# Allegro board 6089-103-RevB_76.brd (continued)
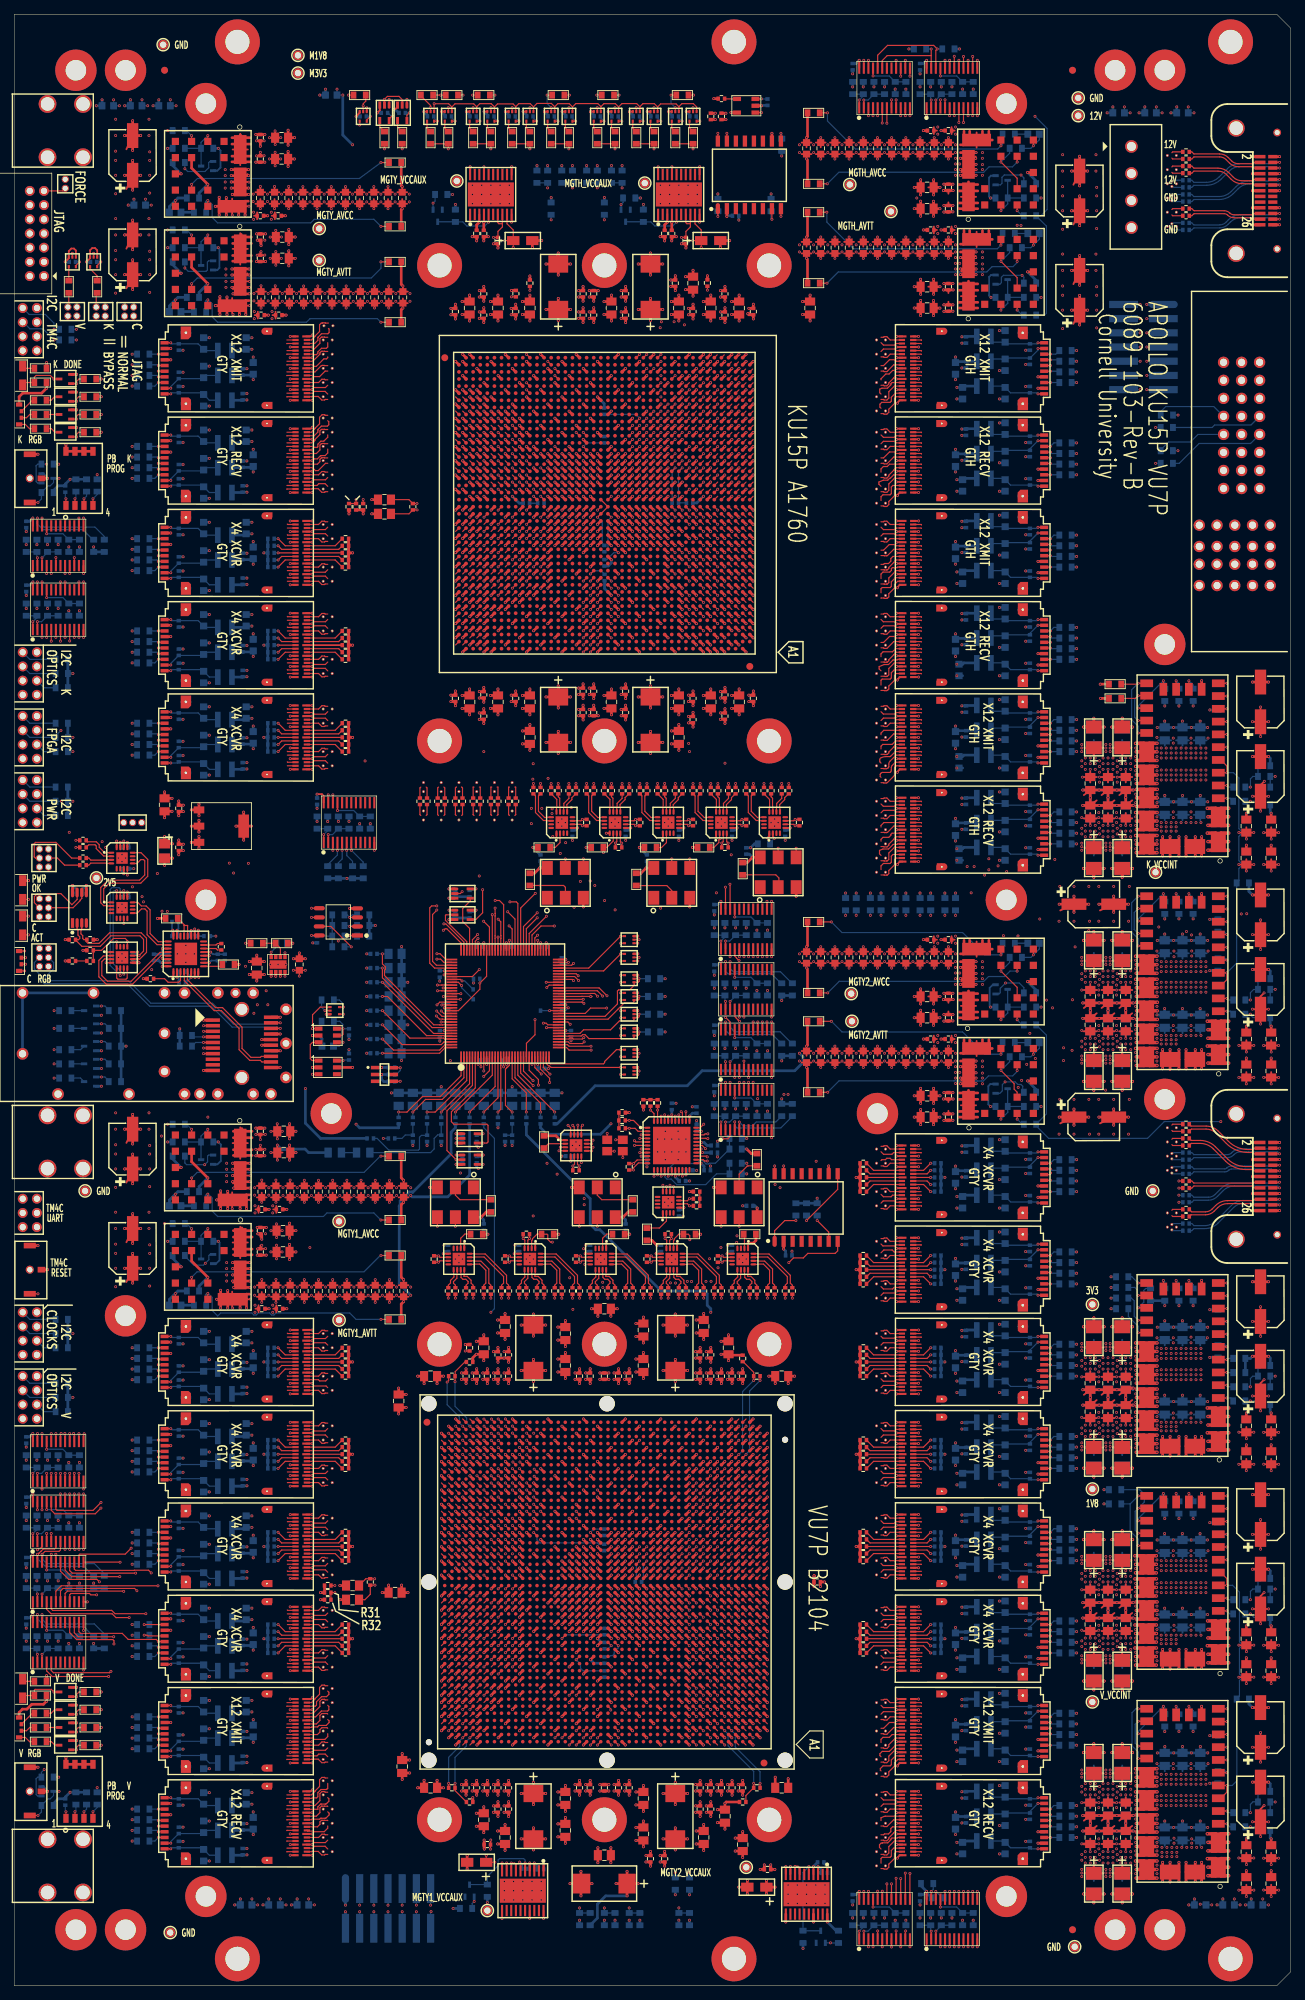
[diagram p0: board, top side]
## Routing (per net, layer and track width the routed paths; a pad name or vN(x,y) marks a point on that pad's centre or on a via; arc(x,y) is an arc through that point) (continued)
NV_FF6_XMIT2: length 27.4
  TOP w0.165: U115.A5 124.32,46.4 124.11,46.18 122.54,46.18 122.2,46.52 ; U66.T6 101.17,48.94
  SIG4 w0.083: 101.17,48.94 100.86,48.94 100.77,49.02 arc(100.77,49.02) 100.77,49.02 arc(100.77,49.04) 100.77,49.06 100.77,49.19 arc(100.78,49.23) 100.79,49.27 arc(100.85,49.35) 100.94,49.38 112.66,49.38 arc(112.7,49.36) 112.71,49.33 arc(112.73,49.29) 112.76,49.28 112.99,49.28 arc(113.03,49.29) 113.04,49.33 arc(113.06,49.36) 113.09,49.38 113.32,49.38 arc(113.36,49.36) 113.37,49.33 arc(113.39,49.29) 113.42,49.28 113.65,49.28 arc(113.69,49.29) 113.7,49.33 arc(113.72,49.36) 113.75,49.38 113.98,49.38 arc(114.02,49.36) 114.03,49.33 arc(114.05,49.29) 114.08,49.28 114.31,49.28 arc(114.35,49.29) 114.36,49.33 arc(114.38,49.36) 114.41,49.38 117.17,49.38 arc(117.25,49.36) 117.31,49.32 119.56,47.07 arc(119.92,46.83) 120.33,46.75 120.76,46.75 arc(120.94,46.72) 121.08,46.62 121.11,46.59 arc(121.19,46.54) 121.28,46.52 122.2,46.52
NV_FF6_XMIT3: length 33.4
  TOP w0.165: U66.U8 99.16,49.93 ; U115.B5 127.95,46.4
  SIG2 w0.083: 99.16,49.93 98.85,49.93 98.77,50.02 98.77,50.15 arc(98.78,50.19) 98.8,50.23 98.83,50.25 arc(98.85,50.27) 98.89,50.28 114.12,50.28 arc(114.16,50.26) 114.18,50.21 arc(114.2,50.17) 114.25,50.15 114.45,50.15 arc(114.49,50.17) 114.51,50.21 arc(114.53,50.26) 114.58,50.28 114.78,50.28 arc(114.82,50.26) 114.84,50.21 arc(114.86,50.17) 114.91,50.15 115.11,50.15 arc(115.15,50.17) 115.17,50.21 arc(115.19,50.26) 115.23,50.28 120.42,50.28 arc(120.72,50.22) 120.98,50.05 121.13,49.9 121.13,49.9 arc(121.42,49.71) 121.76,49.64 123.19,49.64 arc(123.56,49.56) 123.88,49.35 126.35,46.89 arc(126.68,46.66) 127.07,46.59 127.76,46.59 127.95,46.4
NV_FF7_RECV0: length 31
  TOP w0.165: U66.AU46 60.23,70.85 ; U25.B18 38.51,83.9
  SIG1 w0.083: 60.23,70.85 60.55,70.85 60.61,70.91 arc(60.63,70.94) 60.63,70.97 60.63,71.09 arc(60.63,71.12) 60.61,71.14 60.48,71.28 arc(60.45,71.29) 60.42,71.3 59.52,71.3 arc(59.41,71.32) 59.31,71.39 59.08,71.62 arc(59.01,71.72) 58.99,71.83 58.99,71.9 arc(58.98,71.93) 58.97,71.96 49.99,80.94 arc(49.94,80.96) 49.89,80.94 arc(49.84,80.92) 49.78,80.94 49.65,81.07 arc(49.63,81.12) 49.65,81.17 arc(49.67,81.22) 49.65,81.27 49.52,81.4 arc(49.47,81.43) 49.42,81.4 arc(49.37,81.38) 49.32,81.4 49.19,81.54 arc(49.16,81.59) 49.19,81.64 arc(49.21,81.69) 49.19,81.74 46.24,84.68 arc(46.07,84.8) 45.86,84.84 43.78,84.84 arc(43.65,84.81) 43.53,84.74 43.09,84.3 arc(42.84,84.13) 42.55,84.07 38.79,84.07 arc(38.69,84.05) 38.6,83.99 38.51,83.9
NV_FF7_RECV1: length 28.9
  TOP w0.165: 44.2,83.52 43.84,83.52 43.76,83.44 43.37,83.44 42.91,83.9 U25.A18 ; U66.AT44 62.24,69.86
  SIG1 w0.083: 62.24,69.86 62.5,69.86 arc(62.54,69.87) 62.57,69.91 arc(62.6,69.96) 62.61,70.01 arc(62.62,70.06) 62.59,70.09 62.51,70.18 arc(62.45,70.22) 62.37,70.23 59.45,70.23 arc(59.39,70.25) 59.33,70.28 56.43,73.19 arc(56.38,73.2) 56.34,73.19 arc(56.29,73.17) 56.25,73.19 56.1,73.33 arc(56.09,73.37) 56.1,73.42 arc(56.12,73.47) 56.1,73.51 55.96,73.65 arc(55.92,73.67) 55.87,73.65 arc(55.83,73.63) 55.78,73.65 55.64,73.79 arc(55.62,73.84) 55.64,73.89 arc(55.66,73.93) 55.64,73.98 45.88,83.73 arc(45.82,83.78) 45.74,83.79 45.43,83.79 arc(45.33,83.77) 45.25,83.72 45.05,83.51 arc(45.01,83.49) 44.96,83.48 44.24,83.48 44.2,83.52
NV_FF7_RECV2: length 31.6
  TOP w0.165: U25.B15 38.51,85.4 ; U66.AR46 60.23,68.87
  SIG3 w0.083: 60.23,68.87 60.55,68.87 60.63,68.95 60.63,69.13 arc(60.59,69.25) 60.47,69.3 59.81,69.3 arc(59.07,69.44) 58.44,69.86 49.87,78.43 arc(49.81,78.46) 49.75,78.43 arc(49.7,78.41) 49.64,78.43 49.52,78.55 arc(49.5,78.61) 49.52,78.67 arc(49.55,78.72) 49.52,78.78 49.4,78.9 arc(49.35,78.92) 49.29,78.9 arc(49.23,78.88) 49.17,78.9 49.05,79.02 arc(49.03,79.07) 49.05,79.13 arc(49.08,79.19) 49.05,79.25 45.95,82.35 arc(45.58,82.6) 45.14,82.69 42.3,82.69 arc(41.93,82.76) 41.61,82.97 39.18,85.41 arc(39,85.53) 38.8,85.57 38.68,85.57 38.51,85.4
NV_FF7_RECV3: length 34.9
  TOP w0.165: U66.AP44 62.24,67.86 ; U25.A15 42.89,85.4 43.07,85.22 43.91,85.22 44.2,85.52
  SIG1 w0.083: 62.24,67.86 62.41,67.86 arc(62.55,67.9) 62.63,68.03 62.63,68.25 arc(62.64,68.31) 62.68,68.37 62.79,68.48 arc(62.84,68.51) 62.89,68.52 63.27,68.52 arc(63.36,68.54) 63.45,68.6 63.61,68.76 arc(63.67,68.85) 63.69,68.95 63.69,71.74 arc(63.66,71.89) 63.58,72.01 63.46,72.12 arc(63.33,72.21) 63.18,72.24 60.09,72.24 arc(59.81,72.3) 59.57,72.46 59,73.03 arc(58.88,73.21) 58.84,73.42 58.84,73.72 arc(58.82,73.85) 58.74,73.96 53.59,79.11 arc(53.53,79.13) 53.47,79.11 arc(53.41,79.08) 53.35,79.11 53.24,79.22 arc(53.21,79.28) 53.24,79.34 arc(53.26,79.4) 53.24,79.46 53.13,79.58 arc(53.07,79.6) 53.01,79.58 arc(52.94,79.55) 52.88,79.58 52.77,79.69 arc(52.75,79.75) 52.77,79.81 arc(52.8,79.87) 52.77,79.93 47.08,85.63 arc(46.84,85.78) 46.56,85.84 45.53,85.84 arc(45.41,85.82) 45.31,85.75 45.16,85.6 arc(45.02,85.51) 44.87,85.48 44.48,85.48 44.44,85.52 44.2,85.52
NV_FF7_XMIT0: length 39.4
  TOP w0.165: 44.2,92.28 43.84,92.28 43.76,92.36 43.37,92.36 42.91,91.9 U25.A2 ; U66.AU41 65.23,70.85
  SIG4 w0.083: 65.23,70.85 65.54,70.85 65.63,70.77 65.63,70.57 arc(65.58,70.46) 65.47,70.42 60.52,70.42 arc(59.96,70.53) 59.48,70.85 53.68,76.65 arc(53.02,77.64) 52.79,78.8 52.79,79.78 arc(52.81,79.83) 52.86,79.85 arc(52.9,79.87) 52.92,79.92 52.92,80.11 arc(52.9,80.16) 52.86,80.18 arc(52.81,80.2) 52.79,80.25 52.79,80.44 arc(52.81,80.49) 52.86,80.51 arc(52.9,80.53) 52.92,80.58 52.92,80.77 arc(52.9,80.82) 52.86,80.84 arc(52.81,80.86) 52.79,80.91 52.79,83.97 arc(52.56,85.09) 51.93,86.04 46.23,91.74 arc(45.92,91.94) 45.57,92.02 45.47,92.02 arc(45.29,92.05) 45.14,92.15 45.12,92.17 arc(45,92.25) 44.85,92.28 44.2,92.28
NV_FF7_XMIT1: length 46.5
  TOP w0.165: 38.5,91.95 38.55,91.9 U25.B2 ; U66.AT39 67.24,69.86
  SIG2 w0.083: 67.24,69.86 67.55,69.86 67.63,69.78 67.63,69.58 67.55,69.5 60.34,69.5 arc(59.69,69.63) 59.15,69.99 52.98,76.16 arc(52.44,76.97) 52.25,77.93 52.25,80.91 arc(52.27,80.96) 52.32,80.98 arc(52.37,81) 52.39,81.05 52.39,81.24 arc(52.37,81.29) 52.32,81.31 arc(52.27,81.33) 52.25,81.38 52.25,81.57 arc(52.27,81.62) 52.32,81.64 arc(52.37,81.66) 52.39,81.71 52.39,81.9 arc(52.37,81.95) 52.32,81.97 arc(52.27,81.99) 52.25,82.04 52.25,85.48 arc(52.01,86.7) 51.32,87.73 51.32,87.73 48.9,90.15 arc(48.07,90.71) 47.09,90.9 44.29,90.9 arc(43.61,91.04) 43.03,91.42 42.93,91.52 arc(42.69,91.68) 42.41,91.74 38.68,91.74 38.68,91.78 38.51,91.95 38.5,91.95
NV_FF7_XMIT2: length 39.5
  TOP w0.165: U25.A5 42.08,90.4 42.28,90.6 43.88,90.6 44.2,90.28 ; U66.AR41 65.23,68.87
  SIG4 w0.083: 65.23,68.87 65.54,68.87 65.62,68.79 65.62,68.78 65.62,68.64 arc(65.62,68.61) 65.6,68.58 65.57,68.55 arc(65.54,68.53) 65.51,68.52 60.22,68.52 arc(60.09,68.54) 59.97,68.59 59.76,68.71 arc(59.58,68.84) 59.42,68.98 52.72,75.67 arc(51.93,76.86) 51.65,78.27 51.65,80.29 arc(51.67,80.34) 51.71,80.35 arc(51.76,80.37) 51.78,80.42 51.78,80.62 arc(51.76,80.67) 51.71,80.68 arc(51.67,80.7) 51.65,80.75 51.65,80.95 arc(51.67,81) 51.71,81.01 arc(51.76,81.03) 51.78,81.08 51.78,81.28 arc(51.76,81.33) 51.71,81.34 arc(51.67,81.36) 51.65,81.41 51.65,83.33 arc(51.35,84.85) 50.49,86.14 47.13,89.5 arc(46.63,89.83) 46.04,89.95 45.73,89.95 arc(45.47,90) 45.25,90.15 45.23,90.17 arc(45.11,90.25) 44.97,90.28 44.2,90.28
NV_FF7_XMIT3: length 46.4
  TOP w0.165: U66.AP39 67.24,67.86 ; U25.B5 38.55,90.4 38.5,90.45
  SIG2 w0.083: 67.24,67.86 67.55,67.86 67.63,67.77 67.63,67.58 67.55,67.5 60.07,67.5 arc(59.73,67.57) 59.44,67.76 52.07,75.13 arc(51.35,76.2) 51.1,77.47 51.1,81.19 arc(51.12,81.24) 51.17,81.26 arc(51.21,81.28) 51.23,81.32 51.23,81.52 arc(51.21,81.57) 51.17,81.59 arc(51.12,81.61) 51.1,81.65 51.1,81.85 arc(51.12,81.9) 51.17,81.92 arc(51.21,81.94) 51.23,81.98 51.23,82.18 arc(51.21,82.23) 51.17,82.25 arc(51.12,82.27) 51.1,82.31 51.1,84.6 arc(50.93,85.43) 50.46,86.14 48.4,88.2 arc(47.57,88.75) 46.58,88.95 44.07,88.95 arc(43.64,89.04) 43.27,89.28 42.85,89.7 arc(42.21,90.13) 41.45,90.28 38.68,90.28 38.51,90.45 38.5,90.45
NV_FF8_RECV0: length 26.4
  TOP w0.165: U66.AN46 60.23,66.86 ; U26.B18 38.51,70.9
  SIG3 w0.083: 38.51,70.9 38.68,71.07 41.41,71.07 arc(42.4,70.87) 43.25,70.31 45.55,68.01 arc(46.33,67.48) 47.25,67.3 50.25,67.3 arc(50.29,67.28) 50.3,67.25 arc(50.32,67.21) 50.36,67.19 50.58,67.19 arc(50.62,67.21) 50.63,67.25 arc(50.65,67.28) 50.69,67.3 50.91,67.3 arc(50.95,67.28) 50.96,67.25 arc(50.98,67.21) 51.02,67.19 51.24,67.19 arc(51.28,67.21) 51.29,67.25 arc(51.31,67.28) 51.35,67.3 51.57,67.3 arc(51.61,67.28) 51.62,67.25 arc(51.64,67.21) 51.68,67.19 51.9,67.19 arc(51.94,67.21) 51.95,67.25 arc(51.97,67.28) 52.01,67.3 60.48,67.3 arc(60.59,67.26) 60.63,67.15 60.63,67 arc(60.62,66.95) 60.6,66.91 60.55,66.86 60.23,66.86
NV_FF8_RECV1: length 25
  TOP w0.165: 44.2,70.52 43.84,70.52 43.76,70.44 43.37,70.44 42.91,70.9 U26.A18 ; 62.7,65.41 62.24,65.87
  SIG1 w0.083: 62.24,65.87 62.55,65.87 62.63,65.96 62.63,66.03 arc(62.62,66.09) 62.58,66.15 62.53,66.2 arc(62.5,66.21) 62.47,66.22 60.37,66.22 arc(59.71,66.35) 59.15,66.73 55.78,70.09 arc(54.95,70.65) 53.98,70.84 50.66,70.84 arc(50.62,70.82) 50.6,70.78 arc(50.58,70.73) 50.54,70.72 50.33,70.72 arc(50.29,70.73) 50.27,70.78 arc(50.25,70.82) 50.21,70.84 50,70.84 arc(49.96,70.82) 49.94,70.78 arc(49.92,70.73) 49.88,70.72 49.67,70.72 arc(49.63,70.73) 49.61,70.78 arc(49.59,70.82) 49.55,70.84 45.72,70.84 arc(45.56,70.81) 45.43,70.72 45.34,70.63 arc(45.22,70.55) 45.07,70.52 44.2,70.52
NV_FF8_RECV2: length 27.8
  TOP w0.165: U66.AL46 60.23,64.86 ; U26.B15 38.51,72.4
  SIG1 w0.083: 38.51,72.4 38.68,72.57 40.11,72.57 arc(40.52,72.49) 40.86,72.26 42.97,70.16 arc(43.58,69.75) 44.31,69.6 49.36,69.6 arc(49.42,69.58) 49.45,69.52 arc(49.47,69.46) 49.53,69.43 49.69,69.43 arc(49.75,69.46) 49.78,69.52 arc(49.8,69.58) 49.86,69.6 50.02,69.6 arc(50.08,69.58) 50.11,69.52 arc(50.13,69.46) 50.19,69.43 50.35,69.43 arc(50.41,69.46) 50.44,69.52 arc(50.46,69.58) 50.52,69.6 53.96,69.6 arc(54.97,69.4) 55.83,68.83 58.83,65.83 arc(59.39,65.45) 60.06,65.32 60.52,65.32 arc(60.6,65.28) 60.63,65.2 60.63,64.98 arc(60.6,64.89) 60.51,64.86 60.23,64.86
NV_FF8_RECV3: length 30.2
  TOP w0.165: 44.2,72.52 43.87,72.19 42.29,72.19 42.08,72.4 U26.A15 ; U66.AK44 62.24,63.87
  SIG1 w0.083: 62.24,63.87 62.55,63.87 62.63,63.95 62.63,64.13 arc(62.73,64.39) 62.99,64.5 63.41,64.5 arc(63.5,64.52) 63.57,64.56 63.66,64.66 arc(63.68,64.69) 63.69,64.73 63.69,66.89 arc(63.68,66.93) 63.66,66.97 63.47,67.16 arc(63.43,67.18) 63.39,67.2 arc(63.34,67.21) 63.29,67.21 60.43,67.21 arc(59.94,67.31) 59.52,67.59 54.91,72.2 arc(54.27,72.62) 53.53,72.77 50.37,72.77 arc(50.31,72.75) 50.28,72.68 arc(50.26,72.62) 50.2,72.6 50.04,72.6 arc(49.98,72.62) 49.95,72.68 arc(49.93,72.75) 49.87,72.77 49.71,72.77 arc(49.65,72.75) 49.62,72.68 arc(49.6,72.62) 49.54,72.6 49.38,72.6 arc(49.32,72.62) 49.29,72.68 arc(49.27,72.75) 49.21,72.77 45.51,72.77 arc(45.36,72.74) 45.24,72.66 45.19,72.62 arc(45.09,72.54) 44.96,72.52 44.2,72.52
NV_FF8_XMIT0: length 31.3
  TOP w0.165: U26.A2 42.91,78.9 43.37,79.36 43.76,79.36 43.84,79.28 44.2,79.28 ; U66.AN41 65.23,66.86
  SIG4 w0.083: 44.2,79.28 44.93,79.28 arc(45.06,79.26) 45.16,79.19 45.22,79.13 arc(45.36,79.03) 45.54,79 46,79 arc(47.11,78.78) 48.04,78.15 50.95,75.25 arc(50.98,75.23) 51.02,75.25 arc(51.06,75.26) 51.09,75.25 51.25,75.08 arc(51.27,75.05) 51.25,75.01 arc(51.24,74.98) 51.25,74.94 51.42,74.78 arc(51.45,74.77) 51.49,74.78 51.49,74.78 arc(51.52,74.79) 51.56,74.78 51.72,74.62 arc(51.73,74.58) 51.72,74.55 arc(51.71,74.51) 51.72,74.48 51.88,74.31 arc(51.92,74.3) 51.95,74.31 arc(51.99,74.33) 52.02,74.31 52.19,74.15 arc(52.2,74.11) 52.19,74.08 arc(52.17,74.04) 52.19,74.01 59.37,66.82 arc(59.72,66.59) 60.13,66.51 65.51,66.51 arc(65.54,66.52) 65.57,66.53 65.58,66.54 arc(65.61,66.6) 65.63,66.66 65.63,66.78 65.54,66.86 65.23,66.86
NV_FF8_XMIT1: length 37.3
  TOP w0.165: 38.5,78.95 38.55,78.9 U26.B2 ; 67.71,65.41 67.24,65.87
  SIG2 w0.083: 67.24,65.87 67.55,65.87 67.63,65.79 67.63,65.5 67.55,65.41 60.23,65.41 arc(59.79,65.5) 59.42,65.75 52.8,72.37 arc(52.78,72.42) 52.8,72.46 arc(52.82,72.5) 52.8,72.55 52.65,72.69 arc(52.61,72.71) 52.56,72.69 52.56,72.69 arc(52.52,72.67) 52.48,72.69 52.33,72.84 arc(52.31,72.88) 52.33,72.93 arc(52.35,72.97) 52.33,73.01 52.19,73.16 arc(52.14,73.18) 52.1,73.16 arc(52.05,73.14) 52.01,73.16 48.12,77.06 arc(47.18,77.68) 46.08,77.9 44.24,77.9 arc(43.51,78.04) 42.89,78.46 42.87,78.48 arc(42.54,78.7) 42.14,78.78 38.68,78.78 38.51,78.95 38.5,78.95
NV_FF8_XMIT2: length 31.4
  TOP w0.165: U66.AL41 65.23,64.86 ; 44.2,77.28 43.87,77.61 42.29,77.61 42.08,77.4 U26.A5
  SIG4 w0.083: 44.2,77.28 44.93,77.28 arc(45.06,77.26) 45.17,77.18 45.2,77.15 arc(45.37,77.04) 45.56,77 46.45,77 arc(47.24,76.84) 47.9,76.4 50.62,73.68 arc(50.66,73.67) 50.7,73.68 arc(50.73,73.7) 50.77,73.68 50.93,73.53 arc(50.94,73.49) 50.93,73.45 arc(50.91,73.41) 50.93,73.37 51.08,73.22 arc(51.12,73.2) 51.16,73.22 arc(51.2,73.23) 51.24,73.22 51.4,73.06 arc(51.41,73.02) 51.4,72.98 arc(51.38,72.94) 51.4,72.9 51.55,72.75 arc(51.59,72.73) 51.63,72.75 arc(51.67,72.77) 51.71,72.75 51.86,72.59 arc(51.88,72.55) 51.86,72.52 arc(51.85,72.48) 51.86,72.44 59.44,64.86 arc(59.89,64.56) 60.43,64.45 65.51,64.45 arc(65.54,64.46) 65.57,64.47 65.59,64.5 arc(65.61,64.53) 65.62,64.56 65.62,64.78 65.53,64.86 65.23,64.86
NV_FF8_XMIT3: length 37.4
  TOP w0.165: U26.B5 38.55,77.4 38.5,77.45 ; U66.AK39 67.24,63.87
  SIG2 w0.083: 38.5,77.45 38.51,77.45 38.68,77.28 41.73,77.28 arc(42.32,77.16) 42.82,76.83 43.04,76.61 arc(43.72,76.16) 44.51,76 46.48,76 arc(47.32,75.83) 48.04,75.35 50.67,72.72 arc(50.7,72.71) 50.74,72.72 arc(50.77,72.74) 50.81,72.72 50.97,72.56 arc(50.99,72.53) 50.97,72.49 arc(50.96,72.46) 50.97,72.42 51.14,72.26 arc(51.17,72.24) 51.2,72.26 arc(51.24,72.27) 51.27,72.26 51.44,72.09 arc(51.45,72.06) 51.44,72.02 arc(51.42,71.99) 51.44,71.95 51.6,71.79 arc(51.64,71.78) 51.67,71.79 arc(51.71,71.81) 51.74,71.79 51.91,71.63 arc(51.92,71.59) 51.91,71.56 arc(51.89,71.52) 51.91,71.49 59.63,63.77 arc(59.9,63.59) 60.22,63.52 67.55,63.52 67.63,63.6 67.63,63.78 67.55,63.87 67.24,63.87
NV_FF9_RECV0: length 27.1
  TOP w0.165: U66.AJ46 60.23,62.88 ; U27.B18 38.51,57.9
  SIG3 w0.083: 60.23,62.88 60.56,62.88 60.65,62.96 60.65,63.15 arc(60.64,63.18) 60.62,63.21 60.57,63.26 arc(60.54,63.28) 60.51,63.28 51.41,63.28 arc(51.36,63.26) 51.34,63.21 arc(51.32,63.16) 51.27,63.15 51.08,63.15 arc(51.03,63.16) 51.01,63.21 arc(50.99,63.26) 50.94,63.28 50.75,63.28 arc(50.7,63.26) 50.68,63.21 arc(50.66,63.16) 50.61,63.15 50.42,63.15 arc(50.37,63.16) 50.35,63.21 arc(50.33,63.26) 50.28,63.28 46.55,63.28 arc(45.95,63.16) 45.44,62.82 42.61,59.99 41.01,58.39 arc(40.66,58.15) 40.24,58.07 38.68,58.07 38.51,57.9
NV_FF9_RECV1: length 29.6
  TOP w0.165: U27.A18 42.91,57.9 43.37,57.44 43.76,57.44 43.84,57.52 44.2,57.52 ; U66.AH44 62.24,61.86
  SIG1 w0.083: 44.2,57.52 45,57.52 arc(45.16,57.55) 45.29,57.64 45.32,57.67 arc(45.41,57.73) 45.51,57.75 55.22,57.75 arc(55.6,57.83) 55.92,58.04 55.97,58.09 arc(56.21,58.25) 56.49,58.31 63.44,58.31 arc(63.51,58.31) 63.58,58.33 arc(63.64,58.36) 63.7,58.38 arc(63.85,58.51) 63.9,58.7 63.9,61.88 arc(63.86,62.08) 63.74,62.25 63.61,62.38 arc(63.48,62.47) 63.33,62.5 62.98,62.5 arc(62.73,62.4) 62.63,62.15 62.63,61.94 62.55,61.86 62.24,61.86
NV_FF9_RECV2: length 25.6
  TOP w0.165: U66.AG46 60.23,60.87 ; U27.B15 38.51,59.4
  SIG1 w0.083: 60.23,60.87 60.55,60.87 60.63,60.95 60.63,61.11 arc(60.63,61.15) 60.61,61.17 60.57,61.22 arc(60.54,61.23) 60.51,61.24 50.64,61.24 arc(50.6,61.22) 50.58,61.18 arc(50.56,61.14) 50.52,61.13 50.31,61.13 arc(50.27,61.14) 50.25,61.18 arc(50.23,61.22) 50.19,61.24 49.98,61.24 arc(49.94,61.22) 49.92,61.18 arc(49.9,61.14) 49.86,61.13 49.65,61.13 arc(49.61,61.14) 49.59,61.18 arc(49.57,61.22) 49.53,61.24 49.32,61.24 arc(49.28,61.22) 49.26,61.18 arc(49.24,61.14) 49.2,61.13 48.99,61.13 arc(48.95,61.14) 48.93,61.18 arc(48.91,61.22) 48.87,61.24 45.05,61.24 arc(44.21,61.07) 43.49,60.6 42.99,60.09 arc(42.36,59.67) 41.62,59.53 38.64,59.53 38.51,59.4
NV_FF9_RECV3: length 23.5
  TOP w0.165: U27.A15 42.08,59.4 42.3,59.18 43.86,59.18 44.2,59.52 ; U66.AF44 62.24,59.85
  SIG1 w0.083: 62.24,59.85 62.52,59.85 62.6,59.94 62.6,60.12 arc(62.59,60.16) 62.56,60.19 arc(62.51,60.22) 62.45,60.24 arc(62.41,60.24) 62.37,60.25 52.45,60.25 arc(52.17,60.19) 51.94,60.04 51.84,59.94 arc(51.74,59.87) 51.63,59.85 50.36,59.85 arc(50.32,59.83) 50.3,59.8 arc(50.29,59.76) 50.25,59.74 50.03,59.74 arc(49.99,59.76) 49.97,59.8 arc(49.96,59.83) 49.92,59.85 49.7,59.85 arc(49.66,59.83) 49.64,59.8 arc(49.63,59.76) 49.59,59.74 49.37,59.74 arc(49.33,59.76) 49.31,59.8 arc(49.3,59.83) 49.26,59.85 49.04,59.85 arc(49,59.83) 48.98,59.8 arc(48.97,59.76) 48.93,59.74 48.71,59.74 arc(48.67,59.76) 48.65,59.8 arc(48.64,59.83) 48.6,59.85 45.58,59.85 arc(45.41,59.82) 45.27,59.72 45.23,59.68 arc(45.05,59.56) 44.84,59.52 44.2,59.52
NV_FF9_XMIT0: length 27.8
  TOP w0.165: U27.A2 42.91,65.9 43.37,66.36 43.76,66.36 43.84,66.28 44.2,66.28 ; U66.AJ41 65.23,62.88
  SIG4 w0.083: 65.23,62.88 65.54,62.88 65.58,62.84 arc(65.61,62.8) 65.62,62.76 arc(65.62,62.74) 65.63,62.72 65.63,62.62 arc(65.61,62.53) 65.57,62.46 arc(65.54,62.43) 65.5,62.42 57.6,62.42 arc(57.56,62.43) 57.54,62.48 arc(57.52,62.52) 57.48,62.54 57.27,62.54 arc(57.23,62.52) 57.21,62.48 arc(57.19,62.43) 57.15,62.42 56.94,62.42 arc(56.9,62.43) 56.88,62.48 arc(56.86,62.52) 56.82,62.54 56.61,62.54 arc(56.57,62.52) 56.55,62.48 arc(56.53,62.43) 56.49,62.42 56.28,62.42 arc(56.24,62.43) 56.22,62.48 arc(56.2,62.52) 56.16,62.54 55.95,62.54 arc(55.91,62.52) 55.89,62.48 arc(55.87,62.43) 55.83,62.42 53.8,62.42 arc(53.12,62.55) 52.54,62.94 50.11,65.37 arc(49.37,65.87) 48.5,66.04 45.51,66.04 arc(45.39,66.06) 45.28,66.14 45.22,66.2 arc(45.12,66.26) 45.01,66.28 44.2,66.28
NV_FF9_XMIT1: length 33.6
  TOP w0.165: 38.5,65.95 38.55,65.9 U27.B2 ; U66.AH39 67.24,61.86
  SIG2 w0.083: 67.24,61.86 67.55,61.86 67.63,61.78 67.63,61.51 67.55,61.43 60.4,61.43 arc(59.96,61.51) 59.58,61.76 57.06,64.29 arc(56.38,64.74) 55.58,64.9 51.15,64.9 arc(51.11,64.92) 51.1,64.95 arc(51.08,64.99) 51.04,65.01 50.82,65.01 arc(50.78,64.99) 50.77,64.95 arc(50.75,64.92) 50.71,64.9 50.49,64.9 arc(50.45,64.92) 50.44,64.95 arc(50.42,64.99) 50.38,65.01 50.16,65.01 arc(50.12,64.99) 50.11,64.95 arc(50.09,64.92) 50.05,64.9 44.57,64.9 arc(43.9,65.03) 43.34,65.41 43.28,65.47 arc(42.94,65.7) 42.54,65.78 38.68,65.78 38.51,65.95 38.5,65.95
NV_FF9_XMIT2: length 27.7
  TOP w0.165: U27.A5 42.08,64.4 42.28,64.61 43.87,64.61 44.2,64.28 ; U66.AG41 65.23,60.87
  SIG4 w0.083: 65.23,60.87 65.54,60.87 65.59,60.83 arc(65.61,60.79) 65.62,60.75 arc(65.62,60.74) 65.63,60.73 65.63,60.68 arc(65.62,60.64) 65.61,60.6 arc(65.6,60.55) 65.57,60.5 arc(65.54,60.47) 65.5,60.46 57.19,60.46 arc(57.15,60.48) 57.13,60.52 arc(57.11,60.57) 57.07,60.59 56.86,60.59 arc(56.82,60.57) 56.8,60.52 arc(56.78,60.48) 56.74,60.46 56.53,60.46 arc(56.49,60.48) 56.47,60.52 arc(56.45,60.57) 56.41,60.59 56.2,60.59 arc(56.16,60.57) 56.14,60.52 arc(56.12,60.48) 56.08,60.46 55.89,60.46 arc(55.84,60.47) 55.81,60.51 arc(55.78,60.54) 55.74,60.55 55.55,60.55 arc(55.51,60.54) 55.48,60.51 arc(55.45,60.47) 55.41,60.46 53.38,60.46 arc(52.65,60.61) 52.02,61.02 49.5,63.54 arc(49,63.88) 48.4,64 45.79,64 arc(45.66,64.03) 45.55,64.1 45.54,64.11 arc(45.35,64.24) 45.13,64.28 44.2,64.28
NV_FF9_XMIT3: length 33.7
  TOP w0.165: 38.5,64.45 38.55,64.4 U27.B5 ; U66.AF39 67.24,59.85
  SIG2 w0.083: 38.5,64.45 38.51,64.45 38.68,64.28 41.9,64.28 arc(42.47,64.17) 42.95,63.84 43.47,63.32 arc(43.93,63.02) 44.47,62.91 49.42,62.91 arc(49.47,62.93) 49.49,62.98 arc(49.51,63.02) 49.55,63.04 49.75,63.04 arc(49.8,63.02) 49.82,62.98 arc(49.84,62.93) 49.88,62.91 50.08,62.91 arc(50.13,62.93) 50.15,62.98 arc(50.17,63.02) 50.21,63.04 50.41,63.04 arc(50.46,63.02) 50.48,62.98 arc(50.5,62.93) 50.54,62.91 55.89,62.91 arc(56.54,62.78) 57.08,62.42 59.84,59.66 arc(60.01,59.55) 60.2,59.51 67.55,59.51 67.63,59.59 67.63,59.77 67.55,59.85 67.24,59.85
NV_FF10_RECV0: length 28.7
  TOP w0.165: U28.B18 38.51,44.9 ; U66.AA46 60.23,53.95
  SIG1 w0.083: 60.23,53.95 60.55,53.95 60.63,54.03 60.63,54.19 arc(60.62,54.24) 60.59,54.28 arc(60.56,54.31) 60.51,54.32 55.43,54.32 arc(55.39,54.3) 55.37,54.25 arc(55.35,54.21) 55.31,54.19 55.1,54.19 arc(55.06,54.21) 55.04,54.25 arc(55.02,54.3) 54.98,54.32 54.77,54.32 arc(54.73,54.3) 54.71,54.25 arc(54.69,54.21) 54.65,54.19 54.44,54.19 arc(54.4,54.21) 54.38,54.25 arc(54.36,54.3) 54.32,54.32 54.11,54.32 arc(54.07,54.3) 54.05,54.25 arc(54.03,54.21) 53.99,54.19 53.78,54.19 arc(53.74,54.21) 53.72,54.25 arc(53.7,54.3) 53.66,54.32 51.7,54.32 arc(49.97,53.89) 48.5,52.88 41.14,45.52 arc(40.6,45.16) 39.97,45.04 38.65,45.04 38.51,44.9
NV_FF10_RECV1: length 30.5
  TOP w0.165: 44.2,44.52 43.84,44.52 43.76,44.44 43.37,44.44 42.91,44.9 U28.A18 ; U66.Y44 62.24,52.93
  SIG3 w0.083: 44.2,44.52 44.92,44.52 arc(45.1,44.56) 45.26,44.66 45.31,44.71 arc(45.41,44.78) 45.53,44.8 53.38,44.8 arc(54.3,44.98) 55.08,45.5 59.52,49.94 arc(59.91,50.21) 60.38,50.3 63.11,50.3 arc(63.42,50.36) 63.69,50.54 63.72,50.57 arc(63.85,50.77) 63.9,50.99 63.9,53.09 arc(63.87,53.23) 63.79,53.35 63.72,53.42 arc(63.6,53.5) 63.46,53.53 63.02,53.53 arc(62.91,53.51) 62.82,53.44 62.79,53.42 arc(62.72,53.31) 62.7,53.19 62.7,52.96 62.67,52.93 62.24,52.93
NV_FF10_RECV2: length 27.2
  TOP w0.165: U66.W46 60.23,51.94 ; U28.B15 38.51,46.4
  SIG3 w0.083: 60.23,51.94 60.55,51.94 60.63,52.02 60.63,52.2 arc(60.62,52.26) 60.59,52.31 60.58,52.32 arc(60.55,52.34) 60.52,52.35 60.32,52.35 arc(59.92,52.27) 59.58,52.04 56.15,48.61 arc(55.3,48.05) 54.31,47.85 50.93,47.85 arc(50.89,47.83) 50.88,47.79 arc(50.86,47.75) 50.82,47.74 50.6,47.74 arc(50.56,47.75) 50.55,47.79 arc(50.53,47.83) 50.49,47.85 50.27,47.85 arc(50.23,47.83) 50.22,47.79 arc(50.2,47.75) 50.16,47.74 49.94,47.74 arc(49.9,47.75) 49.89,47.79 arc(49.87,47.83) 49.83,47.85 49.61,47.85 arc(49.57,47.83) 49.56,47.79 arc(49.54,47.75) 49.5,47.74 49.28,47.74 arc(49.24,47.75) 49.23,47.79 arc(49.21,47.83) 49.17,47.85 41.59,47.85 arc(41.28,47.79) 41.01,47.61 40.3,46.9 arc(39.93,46.66) 39.5,46.57 38.68,46.57 38.51,46.4
NV_FF10_RECV3: length 25
  TOP w0.165: U66.V44 62.24,50.92 ; U28.A15 42.08,46.4 42.29,46.19 43.87,46.19 44.2,46.52
  SIG1 w0.083: 62.24,50.92 62.55,50.92 62.63,51.01 62.63,51.21 arc(62.62,51.26) 62.59,51.31 arc(62.55,51.33) 62.51,51.34 55.55,51.34 arc(55.5,51.32) 55.48,51.28 arc(55.46,51.23) 55.41,51.21 55.22,51.21 arc(55.17,51.23) 55.15,51.28 arc(55.13,51.32) 55.09,51.34 54.89,51.34 arc(54.84,51.32) 54.82,51.28 arc(54.8,51.23) 54.76,51.21 54.56,51.21 arc(54.51,51.23) 54.49,51.28 arc(54.47,51.32) 54.42,51.34 52.78,51.34 arc(51.37,50.99) 50.18,50.17 47.09,47.08 arc(46.79,46.88) 46.43,46.8 45.54,46.8 arc(45.4,46.78) 45.28,46.69 45.15,46.57 arc(45.1,46.53) 45.04,46.52 44.2,46.52
NV_FF10_XMIT0: length 26.5
  TOP w0.165: U28.A2 42.91,52.9 43.37,53.36 43.76,53.36 43.84,53.28 44.2,53.28 ; U66.AA41 65.23,53.95
  SIG4 w0.083: 44.2,53.28 45.06,53.28 arc(45.25,53.24) 45.42,53.13 arc(45.62,53) 45.85,52.95 49.33,52.95 arc(49.37,52.97) 49.39,53.01 arc(49.41,53.06) 49.45,53.08 49.66,53.08 arc(49.7,53.06) 49.72,53.01 arc(49.74,52.97) 49.78,52.95 49.99,52.95 arc(50.03,52.97) 50.05,53.01 arc(50.07,53.06) 50.11,53.08 50.32,53.08 arc(50.36,53.06) 50.38,53.01 arc(50.4,52.97) 50.44,52.95 55.32,52.95 arc(55.63,53.01) 55.89,53.18 56,53.3 arc(56.24,53.45) 56.52,53.51 65.46,53.51 arc(65.5,53.52) 65.53,53.54 65.59,53.6 arc(65.62,53.64) 65.63,53.68 65.63,53.86 65.54,53.95 65.23,53.95
NV_FF10_XMIT1: length 32.4
  TOP w0.165: 38.5,52.95 38.55,52.9 U28.B2 ; U66.Y39 67.24,52.93
  SIG2 w0.083: 67.24,52.93 67.55,52.93 67.63,52.85 67.63,52.71 arc(67.6,52.62) 67.51,52.58 56.21,52.58 arc(55.94,52.53) 55.71,52.38 arc(55.36,52.15) 54.95,52.06 51.6,52.06 arc(51.57,52.07) 51.55,52.11 arc(51.54,52.14) 51.51,52.15 51.27,52.15 arc(51.24,52.14) 51.22,52.11 arc(51.21,52.07) 51.18,52.06 50.94,52.06 arc(50.91,52.07) 50.89,52.11 arc(50.88,52.14) 50.85,52.15 50.61,52.15 arc(50.58,52.14) 50.56,52.11 arc(50.55,52.07) 50.52,52.06 50.28,52.06 arc(50.25,52.07) 50.23,52.11 arc(50.22,52.14) 50.19,52.15 49.95,52.15 arc(49.92,52.14) 49.9,52.11 arc(49.89,52.07) 49.86,52.06 43.99,52.06 arc(43.8,52.1) 43.64,52.2 43.26,52.59 arc(43.05,52.73) 42.8,52.78 38.68,52.78 38.51,52.95 38.5,52.95
NV_FF10_XMIT2: length 26.5
  TOP w0.165: U66.W41 65.23,51.94 ; U28.A5 42.08,51.4 42.29,51.61 43.87,51.61 44.2,51.28
  SIG4 w0.083: 65.23,51.94 65.54,51.94 65.62,51.86 65.62,51.71 arc(65.62,51.68) 65.6,51.65 65.57,51.62 arc(65.54,51.6) 65.51,51.59 53.1,51.59 arc(52.72,51.52) 52.4,51.3 52.29,51.19 arc(52.09,51.06) 51.85,51.01 49.96,51.01 49.96,51.09 49.63,51.09 49.63,51.01 49.3,51.01 49.3,51.09 48.97,51.09 48.97,51.01 45.59,51.01 arc(45.37,51.06) 45.18,51.18 arc(45.07,51.25) 44.93,51.28 44.2,51.28
NV_FF10_XMIT3: length 32.6
  TOP w0.165: U66.V39 67.24,50.92 ; 38.5,51.45 38.55,51.4 U28.B5
  SIG2 w0.083: 67.24,50.92 67.55,50.92 67.63,50.84 67.63,50.7 arc(67.6,50.62) 67.51,50.58 66.37,50.58 66.37,50.58 66.08,50.58 66.08,50.58 65.38,50.58 65.38,50.58 65.09,50.58 65.09,50.58 64.39,50.58 64.39,50.58 64.1,50.58 64.1,50.58 63.38,50.58 63.37,50.58 63.08,50.58 63.08,50.58 62.39,50.58 62.38,50.58 62.09,50.58 62.09,50.58 61.4,50.58 61.39,50.58 61.1,50.58 61.1,50.58 60.38,50.58 60.37,50.58 53.36,50.58 arc(53.24,50.55) 53.14,50.49 52.95,50.3 arc(52.74,50.16) 52.49,50.11 49.57,50.11 arc(49.52,50.13) 49.5,50.18 arc(49.48,50.23) 49.43,50.25 49.24,50.25 arc(49.19,50.23) 49.17,50.18 arc(49.15,50.13) 49.1,50.11 48.91,50.11 arc(48.86,50.13) 48.84,50.18 arc(48.82,50.23) 48.77,50.25 48.58,50.25 arc(48.53,50.23) 48.51,50.18 arc(48.49,50.13) 48.44,50.11 43.98,50.11 arc(43.52,50.2) 43.14,50.46 42.7,50.9 arc(42.28,51.18) 41.77,51.28 38.68,51.28 38.51,51.45 38.5,51.45